# Altium PCB Ixora.PcbDoc (part 6 of 13)
Units mm, origin at the board's own origin, x right, y up, seen from the top; angles counter-clockwise.
Board outline 125 x 90 mm, 6 copper layers (Top Layer, GND, Mid-Layer 1, Mid-Layer 2, POWER, Bottom Layer), stack 1.561 mm thick; 454 components, 512 nets, 2071 pads, 863 vias.
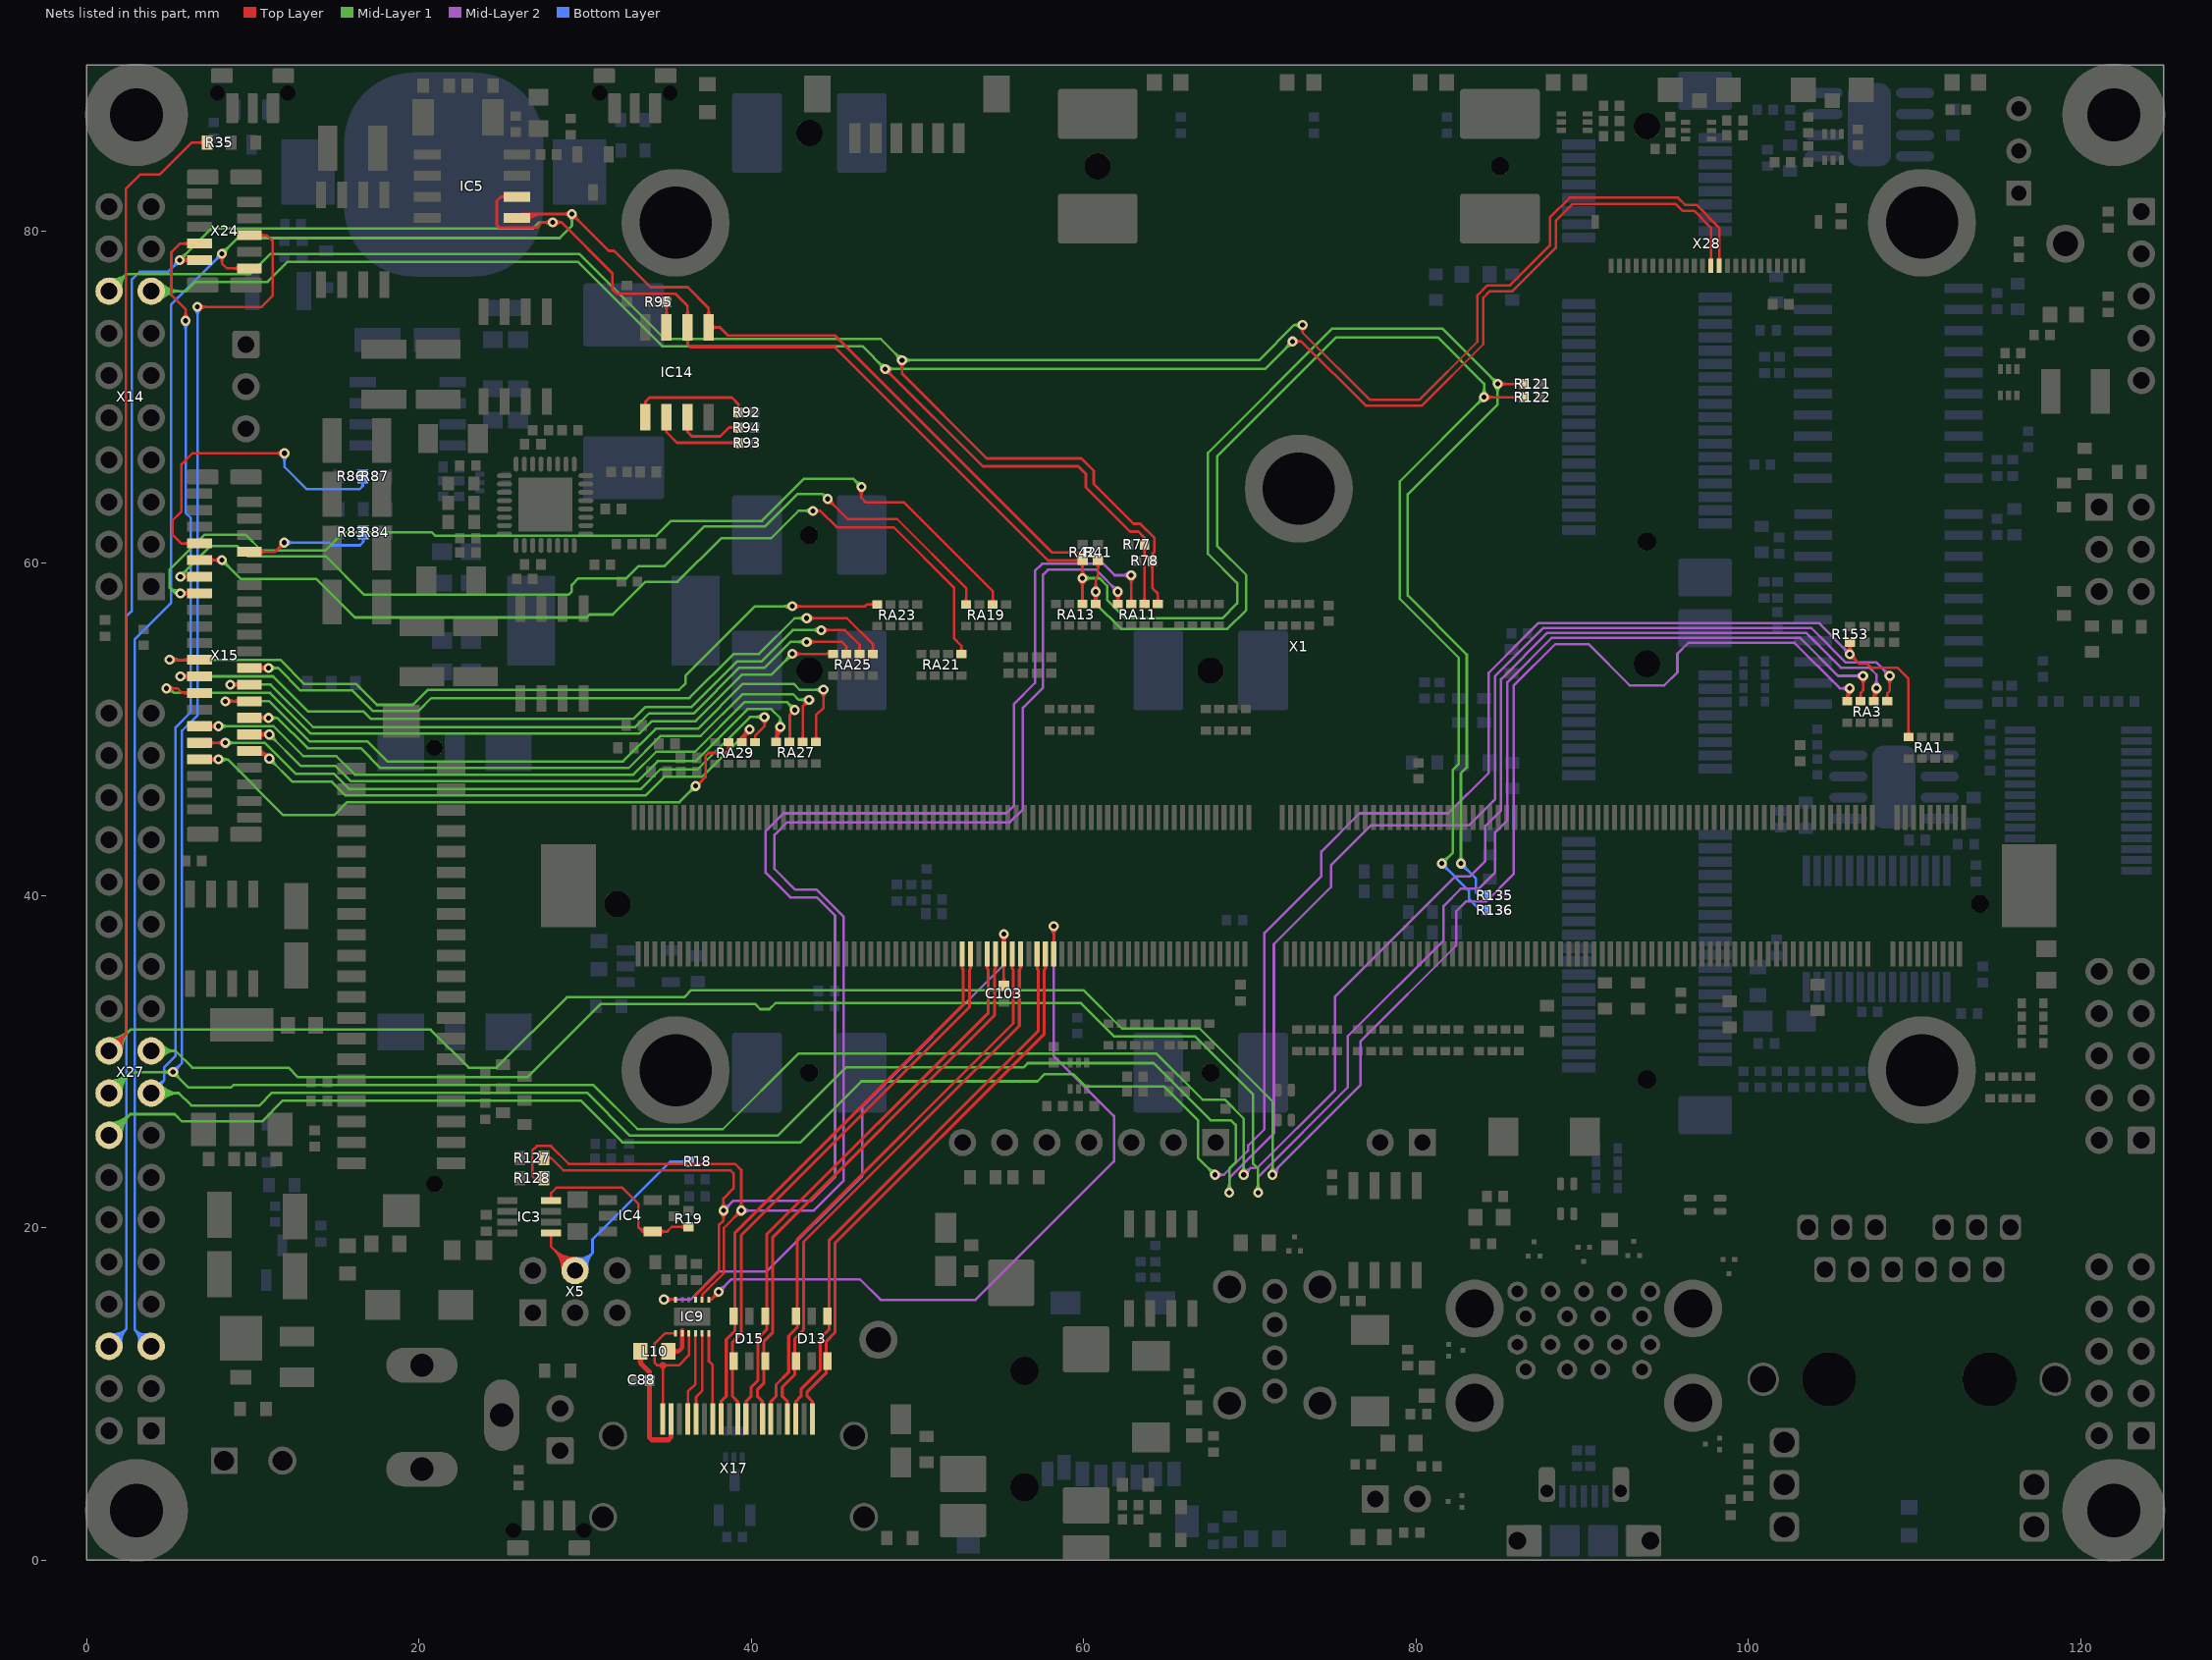
[diagram p10: the nets of this part, all layers, seen from the top]

## Via types
v1: diameter 0.6, hole 0.3, Top Layer to Bottom Layer, tented both sides, 852 vias
v2: diameter 0.6, hole 0.3, Top Layer to Bottom Layer, 11 vias

## Nets (pads, with @x,y where several pads share a name; then routed paths per layer and width w, separated by ;. In a path a pad name is that pad's centre, name@x,y a point inside that pad or via, vN(x,y) a via of type N, cw(c..) or ccw(c..) an arc to the next point about the centre after c; other vN are vias at no path point) (continued)
GPIO4: R153.2 RA1.5 X27.16 | length 161.6
  Top Layer w0.15: v1@105.949,54.693 ccw(c105.565,55.077) 106.109,55.077 ccw(c106.652,55.077) v1@106.268,54.693 ; v1@106.109,54.309 cw(c106.109,53.766) 106.493,54.15 cw(c106.877,54.534) v1@106.334,54.534 ; R153.2@106.109,55.245 v1(106.109,54.534) 106.693,53.95 107.163,53.95 107.391,53.721 108.966,53.721 109.639,53.048 RA1.5@109.639,49.555 ; RA1.5@109.515,49.679 ccw(c109.217,49.978) 109.639,49.978 ccw(c110.062,49.978) RA1.5@109.763,49.679 ; 106.066,54.919 ccw(c105.957,54.948) 106.001,55.052 cw(c105.957,54.948) 106.066,54.919 ; 106.066,54.919 cw(c106.279,54.862) 106.179,55.058 ccw(c106.279,54.862) 106.066,54.919 ; v1@106.109,54.738 ccw(c105.602,54.738) 105.96,55.097 cw(c105.602,54.738) v1@106.109,54.738 ; v1@106.109,54.738 cw(c106.616,54.738) 106.257,55.097 ccw(c106.616,54.738) v1@106.109,54.738 ; 106.151,54.919 ccw(c105.938,54.862) 106.038,55.058 cw(c105.938,54.862) 106.151,54.919 ; 106.151,54.919 cw(c106.26,54.948) 106.216,55.052 ccw(c106.26,54.948) 106.151,54.919
  Mid-Layer 2 w0.15: v1(67.9,23.203) 68.441,23.203 69.901,24.663 69.901,24.968 70.881,25.948 70.881,37.753 74.308,41.18 74.308,42.659 76.606,44.958 81.94,44.958 84.375,47.393 84.375,53.413 87.371,56.409 104.233,56.409 v1(106.109,54.534) ; v1@68.059,23.044 cw(c68.443,22.66) 68.443,23.203 cw(c68.443,23.747) v1@68.059,23.362 ; v1@105.884,54.534 ccw(c105.34,54.534) 105.724,54.918 ccw(c106.109,55.302) v1@106.109,54.759
  Mid-Layer 1 w0.15: X27.16@1.36,25.58 2.63,26.85 ; X27.16@1.363,26.03 ccw(c1.369,27.095) 2.122,26.342 ccw(c2.875,25.589) X27.16@1.81,25.583 ; X27.16@1.363,26.18 ccw(c1.372,27.6) 2.376,26.596 ccw(c3.38,25.592) X27.16@1.96,25.583 ; X27.16@1.364,26.33 ccw(c1.375,28.105) 2.63,26.85 ; X27.16@2.11,25.584 cw(c3.885,25.595) 2.63,26.85 ; v1@67.675,23.203 ccw(c67.132,23.203) 67.516,23.587 ccw(c67.9,23.972) v1@67.9,23.428 ; v1(67.9,23.203) 66.9,24.203 66.9,26.47 64.846,28.524 60.096,28.524 59.36,29.261 57.658,29.261 57.226,28.829 46.634,28.829 42.962,25.157 32.251,25.157 29.737,27.671 11.821,27.671 10.566,26.416 5.74,26.416 5.306,26.85 2.63,26.85
GPIO5: RA3.8 X24.4 X27.17 | length 211.5
  Top Layer w0.15: v1@5.81,74.759 ccw(c5.426,75.143) 5.969,75.143 ccw(c6.512,75.143) v1@6.128,74.759 ; v1(5.969,74.6) 5.969,75.286 5.106,76.149 5.106,78.715 5.641,79.25 X24.4@6.8,79.25 ; X24.4@6.191,79.091 ccw(c5.807,78.707) 5.807,79.25 ccw(c5.807,79.793) X24.4@6.191,79.409 ; RA3.8@108.232,51.843 ccw(c107.934,52.142) 108.356,52.142 ccw(c108.779,52.142) RA3.8@108.48,51.843 ; v1@108.349,53.068 cw(c107.965,52.684) 108.509,52.684 cw(c109.052,52.684) v1@108.668,53.068 ; RA3.8@108.356,51.719 108.356,52.171 108.509,52.324 v1(108.509,53.227)
  Mid-Layer 2 w0.15: v1@68.608,22.279 ccw(c68.223,22.663) 68.767,22.663 ccw(c69.31,22.663) v1@68.926,22.279 ; v1(68.767,22.12) 68.767,23.017 71.45,25.7 71.45,37.084 74.879,40.513 74.879,41.834 77.292,44.247 83.21,44.247 84.75,45.786 84.75,53.19 ; 84.75,53.2 87.662,56.112 103.781,56.112 105.842,54.051 107.685,54.051 v1(108.509,53.227) ; v1@108.284,53.227 ccw(c107.74,53.227) 108.124,53.612 ccw(c108.509,53.996) v1@108.509,53.452
  Mid-Layer 1 w0.15: X27.17@3.9,28.12 5.56,28.12 ; X27.17@4.238,27.823 cw(c4.896,27.242) 4.896,28.12 cw(c4.896,28.998) X27.17@4.238,28.417 ; X27.17@4.35,27.723 cw(c5.228,26.95) 5.228,28.12 cw(c5.228,29.29) X27.17@4.35,28.517 ; X27.17@4.463,27.624 cw(c5.56,26.657) 5.56,28.12 ; X27.17@4.463,28.616 ccw(c5.56,29.583) 5.56,28.12 ; v1@68.608,22.279 ccw(c68.223,22.663) 68.767,22.663 ccw(c69.31,22.663) v1@68.926,22.279 ; v1(68.767,22.12) 68.767,23.567 69.15,23.95 69.15,26.2 68.858,26.492 67.64,26.492 64.211,29.921 56.642,29.921 56.388,29.667 45.695,29.667 41.581,25.554 32.699,25.554 30.115,28.138 11.17,28.138 10.41,27.377 6.304,27.377 5.56,28.12
  Bottom Layer w0.15: X27.17@3.9,28.12 4.674,28.894 4.674,29.667 5.359,30.353 5.359,50.131 6.274,51.046 6.274,62.738 5.969,63.043 v1(5.969,74.6) ; X27.17@3.988,28.684 ccw(c4.133,29.437) 4.675,28.895 ccw(c5.217,28.353) X27.17@4.464,28.208 ; v1@5.81,74.441 cw(c5.426,74.057) 5.969,74.057 cw(c6.512,74.057) v1@6.128,74.441
GPIO6: RA3.7 X24.5 X27.18 | length 214.3
  Top Layer w0.15: v1(6.68,75.438) 10.541,75.438 11.201,76.098 11.201,79.4 10.852,79.75 X24.5@9.8,79.75 ; X24.5@10.43,79.615 cw(c10.699,79.414) 10.699,79.75 cw(c10.699,80.086) X24.5@10.43,79.885 ; RA3.7@107.432,51.843 ccw(c107.134,52.142) 107.556,52.142 ccw(c107.979,52.142) RA3.7@107.68,51.843 ; RA3.7@107.529,51.876 ccw(c107.436,52.064) 107.638,52.009 ccw(c107.759,51.977) RA3.7@107.695,51.87 ; RA3.7@107.556,51.704 cw(c108.316,51.704) v1@107.847,52.302 ; RA3.7@107.556,51.719 107.556,52.327 v1(107.709,52.479) ; 107.556,52.012 cw(c108.074,52.012) v1@107.755,52.42 ; 7.223,75.438 cw(c7.223,75.981) 6.839,75.597 ccw(c7.223,75.981) 7.223,75.438 ; 7.223,75.438 ccw(c7.223,74.895) 6.839,75.279 cw(c7.223,74.895) 7.223,75.438
  Mid-Layer 2 w0.15: v1(69.633,23.203) 70.047,23.617 70.455,23.617 75.132,28.295 75.132,33.931 82.376,41.174 83.262,41.174 84.176,42.088 84.176,44.196 85.125,45.145 85.125,53.025 87.916,55.816 103.468,55.816 105.562,53.721 107.29,53.721 107.709,53.302 v1(107.709,52.479) ; v1@69.633,23.428 ccw(c69.633,23.972) 70.017,23.587 ccw(c70.402,23.203) v1@69.858,23.203 ; v1@107.549,52.638 ccw(c107.165,53.022) 107.709,53.022 ccw(c108.252,53.022) v1@107.868,52.638
  Mid-Layer 1 w0.15: X27.18@1.335,28.845 ccw(c1.335,30.654) 2.615,29.375 ccw(c3.894,28.095) X27.18@2.085,28.095 ; X27.18@1.36,28.12 2.628,29.388 v1(5.207,29.388) 6.147,28.448 8.687,28.448 8.844,28.605 30.501,28.605 33.156,25.95 38.294,25.95 42.85,30.505 64.373,30.505 67.153,27.725 68.486,27.725 69.633,26.578 v1(69.633,23.203) ; X27.18@1.36,28.57 ccw(c1.36,29.656) 2.128,28.888 ccw(c2.896,28.12) X27.18@1.81,28.12 ; X27.18@1.36,28.72 ccw(c1.36,30.167) 2.384,29.144 ccw(c3.408,28.12) X27.18@1.96,28.12 ; v1@5.048,29.229 ccw(c4.664,28.845) 4.664,29.388 ccw(c4.664,29.931) v1@5.048,29.547 ; v1@5.207,29.163 cw(c5.207,28.62) 5.591,29.004 cw(c5.975,29.388) v1@5.432,29.388 ; v1@69.474,23.362 ccw(c69.09,23.747) 69.633,23.747 ccw(c70.177,23.747) v1@69.792,23.362
  Bottom Layer w0.15: v1(5.207,29.388) 5.74,29.921 5.74,49.919 6.693,50.872 v1@6.693,75.438 ; v1@5.207,29.613 ccw(c5.207,30.156) 5.591,29.772 ccw(c5.975,29.388) v1@5.432,29.388 ; v1@6.521,75.279 cw(c6.106,74.864) 6.693,74.864 ; 6.693,74.925 cw(c7.193,74.925) v1@6.839,75.279
GPIO7: RA3.6 X27.19 | length 148.6
  Top Layer w0.15: RA3.6@106.632,51.843 ccw(c106.334,52.142) 106.756,52.142 ccw(c107.179,52.142) RA3.6@106.88,51.843 ; v1@106.75,53.068 cw(c106.365,52.684) 106.909,52.684 cw(c107.452,52.684) v1@107.068,53.068 ; RA3.6@106.756,51.719 106.756,52.197 106.909,52.349 v1(106.909,53.227)
  Mid-Layer 2 w0.15: v1@70.341,22.279 ccw(c69.957,22.663) 70.5,22.663 ccw(c71.043,22.663) v1@70.659,22.279 ; v1(70.5,22.12) 70.5,23.078 75.895,28.473 75.895,31.546 81.66,37.312 81.66,39.381 82.691,40.412 83.77,40.412 84.76,41.402 84.76,43.815 85.5,44.555 85.5,52.85 88.169,55.519 103.104,55.519 105.396,53.227 v1(106.909,53.227) ; v1@106.75,53.068 ccw(c106.365,52.684) 106.365,53.227 ccw(c106.365,53.771) v1@106.75,53.387
  Mid-Layer 1 w0.15: X27.19@3.9,30.66 5.357,30.66 6.367,29.65 12.158,29.65 12.737,29.072 26.532,29.072 30.954,33.494 40.217,33.494 40.538,33.172 41.097,33.172 41.453,33.528 59.842,33.528 61.825,31.545 66.684,31.545 70.2,28.029 70.2,23.86 70.5,23.56 v1(70.5,22.12) ; X27.19@4.27,30.405 cw(c4.757,30.069) 4.757,30.66 cw(c4.757,31.251) X27.19@4.27,30.915 ; X27.19@4.394,30.319 cw(c5.043,29.872) 5.043,30.66 cw(c5.043,31.448) X27.19@4.394,31.001 ; X27.19@4.517,30.234 cw(c5.328,29.675) 5.328,30.66 cw(c5.328,31.645) X27.19@4.517,31.086 ; v1@70.341,22.279 ccw(c69.957,22.663) 70.5,22.663 ccw(c71.043,22.663) v1@70.659,22.279
GPIO8: R35.2 RA3.5 X27.20 | length 218.4
  Top Layer w0.15: X27.20@1.36,30.66 2.36,31.66 ; X27.20@1.445,31.102 ccw(c1.553,31.666) 1.96,31.26 ccw(c2.367,30.853) X27.20@1.802,30.745 ; X27.20@1.473,31.249 ccw(c1.618,32.002) 2.16,31.46 ccw(c2.702,30.918) X27.20@1.949,30.773 ; X27.20@1.502,31.397 ccw(c1.682,32.337) 2.36,31.66 ; X27.20@2.097,30.802 cw(c3.038,30.982) 2.36,31.66 ; R35.2@7.096,85.152 ccw(c6.669,84.725) 6.669,85.329 ccw(c6.669,85.932) R35.2@7.096,85.506 ; R35.2@7.273,85.329 6.335,85.329 4.42,83.414 3.251,83.414 2.36,82.522 2.36,31.66 ; RA3.5@105.832,51.843 ccw(c105.534,52.142) 105.956,52.142 ccw(c106.379,52.142) RA3.5@106.08,51.843 ; RA3.5@105.929,51.876 ccw(c105.836,52.064) 106.038,52.009 ccw(c106.159,51.977) RA3.5@106.095,51.87 ; RA3.5@105.956,51.704 cw(c106.716,51.704) v1@106.247,52.302 ; RA3.5@105.956,51.719 105.956,52.327 v1(106.109,52.479) ; 105.956,52.012 cw(c106.474,52.012) v1@106.155,52.42
  Mid-Layer 2 w0.15: v1(71.367,23.203) 71.367,23.309 76.657,28.599 76.657,31.23 82.423,36.996 82.423,39.065 83.007,39.649 84.226,39.649 85.875,41.298 85.875,52.626 88.392,55.143 90.373,55.143 92.862,52.654 94.945,52.654 95.733,53.442 95.733,54.559 96.395,55.222 102.766,55.222 105.509,52.479 v1(106.109,52.479) ; v1@71.367,23.428 ccw(c71.367,23.717) 71.571,23.513 ; v1@71.442,23.203 cw(c71.877,23.203) 71.569,23.511 ; v1@71.592,23.203 cw(c72.389,23.203) 71.825,23.767 ; v1@105.95,52.32 ccw(c105.565,51.936) 105.565,52.479 ccw(c105.565,53.022) v1@105.95,52.638
  Mid-Layer 1 w0.15: X27.20@1.36,30.66 2.642,31.942 20.712,31.942 23.004,29.65 24.672,29.65 28.914,33.892 35.992,33.892 ; X27.20@1.36,31.11 ccw(c1.36,32.196) 2.128,31.428 ccw(c2.896,30.66) X27.20@1.81,30.66 ; X27.20@1.36,31.26 ccw(c1.36,32.709) 2.384,31.684 ccw(c3.409,30.66) X27.20@1.96,30.66 ; X27.20@1.36,31.41 ccw(c1.36,33.221) 2.64,31.94 ccw(c3.921,30.66) X27.20@2.11,30.66 ; 35.992,33.909 36.398,34.315 59.995,34.315 62.307,32.003 66.981,32.003 71.375,27.609 71.375,23.212 v1(71.367,23.203) ; v1@71.208,23.362 ccw(c70.803,23.767) 71.375,23.767 ; 71.375,23.726 ccw(c71.89,23.726) v1@71.526,23.362
HDMI1_CEC: IC9.12 X17.13 | length 5.5
  Top Layer w0.15: IC9.12@37.45,13.65 37.45,11.98 37.683,11.747 X17.13@37.683,8.5 ; X17.13@37.63,9.353 ccw(c37.502,9.481) 37.683,9.481 ccw(c37.864,9.481) X17.13@37.736,9.353
HDMI1_CEC_MXM3: IC9.1 X1.220 | length 50.1
  Top Layer w0.15: IC9.1@37.45,15.7 37.6,15.7 v1(38.05,16.15) ; v1@37.825,16.15 cw(c37.282,16.15) 37.666,15.766 cw(c38.05,15.382) v1@38.05,15.925 ; v1@58.041,37.998 cw(c57.657,37.614) 58.2,37.614 cw(c58.743,37.614) v1@58.359,37.998 ; X1.220@58.2,36.5 v1(58.2,38.157) ; 58.2,37.306 cw(c58.019,37.306) 58.147,37.178 ccw(c58.019,37.306) 58.2,37.306 ; 58.2,37.306 ccw(c58.381,37.306) 58.253,37.178 cw(c58.381,37.306) 58.2,37.306
  Mid-Layer 2 w0.15: v1(38.05,16.15) 38.816,16.916 46.533,16.916 47.777,15.672 53.49,15.672 61.83,24.012 61.83,26.74 58.2,30.37 v1(58.2,38.157) ; v1@38.05,16.375 ccw(c38.05,16.918) 38.434,16.534 ccw(c38.818,16.15) v1@38.275,16.15 ; v1@58.041,37.998 cw(c57.657,37.614) 58.2,37.614 cw(c58.743,37.614) v1@58.359,37.998
HDMI1_HPD: IC9.7 IC9.9 X17.19 | length 10.4
  Top Layer w0.1: IC9.9@36.25,13.663 IC9.9@36.25,13.753
  Top Layer w0.15: X17.19@34.63,9.353 ccw(c34.502,9.481) 34.683,9.481 ccw(c34.864,9.481) X17.19@34.736,9.353 ; 34.641,11.771 34.683,11.729 ; X17.19@34.683,8.5 34.683,11.67 34.683,11.729 ; IC9.7@35.45,13.65 34.795,13.65 34.2,13.055 34.2,11.876 34.346,11.729 34.624,11.729 34.683,11.729 ; IC9.9@36.25,13.65 36.25,12.337 35.643,11.729 34.743,11.729 34.683,11.729
  Top Layer w0.3: 34.624,11.729 cw(c34.683,11.729) 34.641,11.771 cw(c34.683,11.729) 34.743,11.729 cw(c34.683,11.729) 34.683,11.67 cw(c34.683,11.729) 34.624,11.729
HDMI1_HPD_MXM3: C103.2 IC9.6 X1.232 | length 42.1
  Top Layer w0.15: v1(34.75,15.7) IC9.6@35.45,15.7 ; v1@34.909,15.541 cw(c35.293,15.157) 35.293,15.7 cw(c35.293,16.243) v1@34.909,15.859 ; v1@55.041,37.541 cw(c54.657,37.157) 55.2,37.157 cw(c55.743,37.157) v1@55.359,37.541 ; C103.2@55.048,34.744 ccw(c54.681,35.111) 55.2,35.111 ccw(c55.719,35.111) C103.2@55.352,34.744 ; X1.232@55.135,37.138 ccw(c54.935,37.253) 55.158,37.313 ; X1.232@55.147,35.847 cw(c55.019,35.719) 55.2,35.719 cw(c55.381,35.719) X1.232@55.253,35.847 ; X1.232@55.147,37.153 ccw(c55.019,37.281) 55.2,37.281 ccw(c55.381,37.281) X1.232@55.253,37.153 ; C103.2@55.2,34.592 X1.232@55.2,36.5 v1(55.2,37.7) ; 55.242,37.313 ccw(c55.465,37.253) X1.232@55.265,37.138
  Mid-Layer 2 w0.15: v1(34.75,15.7) 36.35,15.7 38.024,17.374 40.919,17.374 46.685,23.139 46.685,27.33 55.2,35.845 v1(55.2,37.7) ; v1@34.909,15.541 cw(c35.293,15.157) 35.293,15.7 cw(c35.293,16.243) v1@34.909,15.859 ; v1@55.041,37.541 cw(c54.657,37.157) 55.2,37.157 cw(c55.743,37.157) v1@55.359,37.541
HDMI1_TXC_N: D15.6 X1.242 X17.12 | length 34.1
  Top Layer w0.18: X17.12@38.183,8.5 38.183,9.561 38.498,9.876 38.498,13.29 39.028,13.82 39.028,19.719 52.765,33.456 52.765,35.546 52.7,35.611 X1.242@52.7,36.5
HDMI1_TXC_P: D15.1 X1.240 X17.10 | length 34.1
  Top Layer w0.18: X17.10@39.183,8.5 39.183,9.561 38.868,9.876 38.868,13.137 39.398,13.667 39.398,19.566 53.135,33.303 53.135,35.546 53.2,35.611 X1.240@53.2,36.5
HDMI1_TXD0_N: D15.4 X1.236 X17.9 | length 34.1
  Top Layer w0.18: X17.9@39.683,8.5 39.683,9.561 39.998,9.876 39.998,10.421 40.4,10.822 40.4,13.35 40.928,13.878 40.928,19.609 54.265,32.946 54.265,35.546 54.2,35.611 X1.236@54.2,36.5
HDMI1_TXD0_P: D15.3 X1.234 X17.7 | length 34.1
  Top Layer w0.18: X17.7@40.683,8.5 40.683,9.561 40.368,9.876 40.368,10.267 40.77,10.669 40.77,13.197 41.298,13.725 41.298,19.456 54.635,32.793 54.635,35.546 54.7,35.611 X1.234@54.7,36.5
HDMI1_TXD1_N: D13.6 X1.230 X17.6 | length 34.1
  Top Layer w0.18: X17.6@41.183,8.5 41.183,9.561 41.498,9.876 41.498,10.574 42.25,11.326 42.25,13.5 42.778,14.028 42.778,19.328 55.765,32.315 55.765,35.546 55.7,35.611 X1.230@55.7,36.5
HDMI1_TXD1_P: D13.1 X1.228 X17.4 | length 34.1
  Top Layer w0.18: X17.4@42.183,8.5 42.183,9.561 41.868,9.876 41.868,10.421 42.62,11.173 42.62,13.347 43.148,13.875 43.148,19.174 56.135,32.161 56.135,35.546 56.2,35.611 X1.228@56.2,36.5
HDMI1_TXD2_N: D13.4 X1.224 X17.3 | length 34.1
  Top Layer w0.18: X17.3@42.683,8.5 42.683,9.561 42.998,9.876 42.998,10.298 44.15,11.45 44.15,13.35 44.678,13.878 44.678,19.251 57.265,31.838 57.265,35.546 57.2,35.611 X1.224@57.2,36.5
HDMI1_TXD2_P: D13.3 X1.222 X17.1 | length 34.1
  Top Layer w0.18: X17.1@43.683,8.5 43.683,9.561 43.368,9.876 43.368,10.145 44.52,11.297 44.52,13.197 45.046,13.723 45.046,19.095 57.635,31.684 57.635,35.546 57.7,35.611 X1.222@57.7,36.5
HDMI1_VDISP: C88.2 L10.2 X17.18 | length 11
  Top Layer w0.3: L10.2@33.145,12.303 cw(c32.763,11.877) 33.335,11.877 ; L10.2@33.335,12.58 33.335,11.877 ; L10.2@33.525,12.303 ccw(c33.907,11.877) 33.335,11.877 ; X17.18@35.183,8.5 35.183,7.421 35.012,7.25 34.025,7.25 33.883,7.392 C88.2@33.883,10.842 33.883,11.329 33.335,11.877 ; 33.883,10.464 cw(c34.221,10.464) 33.982,10.703 ccw(c34.221,10.464) 33.883,10.464 ; 33.883,10.464 ccw(c33.545,10.464) 33.784,10.703 cw(c33.545,10.464) 33.883,10.464 ; 33.883,11.22 cw(c33.545,11.22) 33.784,10.981 ccw(c33.545,11.22) 33.883,11.22 ; 33.883,11.22 ccw(c34.221,11.22) 33.982,10.981 cw(c34.221,11.22) 33.883,11.22
HDMI1_VDISP_L: IC9.8 L10.1 | length 2.8
  Top Layer w0.26: L10.1@35.015,12.58 35.632,12.58 ; L10.1@35.257,12.395 cw(c35.632,12.109) 35.632,12.58 ; L10.1@35.257,12.765 ccw(c35.632,13.051) 35.632,12.58 ; IC9.8@35.85,13.827 35.85,12.798 35.632,12.58
I2C1_EE_A0: IC14.1 R92.1 | length 7.9
  Top Layer w0.165: IC14.1@33.503,69.478 ccw(c33.329,69.723) 33.63,69.723 ; IC14.1@33.63,68.801 33.63,69.723 ; IC14.1@33.756,69.478 cw(c33.93,69.723) 33.63,69.723 ; R92.1@39.239,69.088 39.239,69.575 38.837,69.977 33.884,69.977 33.63,69.723
I2C1_EE_A1: IC14.2 R93.1 | length 6
  Top Layer w0.15: IC14.2@34.78,68.11 cw(c34.644,67.894) 34.9,67.894 ; IC14.2@34.9,68.801 34.9,67.894 ; IC14.2@35.019,68.11 ccw(c35.155,67.894) 34.9,67.894 ; R93.1@39.246,67.259 35.535,67.259 34.9,67.894
I2C1_EE_A2: IC14.3 R94.1 | length 5.6
  Top Layer w0.165: IC14.3@36.052,68.118 cw(c35.915,67.903) 36.17,67.903 ; IC14.3@36.17,68.801 36.17,67.903 ; IC14.3@36.287,68.118 ccw(c36.424,67.903) 36.17,67.903 ; R94.1@39.096,68.03 ccw(c38.75,67.685) 38.75,68.174 ccw(c38.75,68.662) R94.1@39.096,68.317 ; R94.1@39.239,68.174 38.659,68.174 38.125,67.64 36.433,67.64 36.17,67.903
I2C1_EE_WP: IC14.7 R95.1 | length 3.1
  Top Layer w0.165: IC14.7@34.746,74.855 ccw(c34.375,75.226) 34.9,75.226 ccw(c35.425,75.226) IC14.7@35.053,74.855 ; R95.1@34.75,75.549 cw(c34.388,75.188) 34.9,75.188 ; IC14.7@34.9,74.201 R95.1@34.9,75.717 ; 34.9,75.219 cw(c35.366,75.219) R95.1@35.036,75.549
I2C1_SCL: IC5.6 IC14.6 R42.1 R121.1 R135.1 RA13.7 X24.2 X27.6 | length 248.5
  Top Layer w0.15: v1(5.613,78.25) X24.2@6.8,78.25 ; v1@5.772,78.091 cw(c6.157,77.707) 6.157,78.25 cw(c6.157,78.793) v1@5.772,78.409 ; X24.2@6.147,78.152 ccw(c5.897,78.032) 5.969,78.3 ccw(c6.015,78.471) X24.2@6.162,78.374 ; X24.2@6.147,78.348 cw(c5.897,78.468) 5.969,78.2 cw(c6.015,78.029) X24.2@6.162,78.126 ; X24.2@6.191,78.091 ccw(c5.807,77.707) 5.807,78.25 ccw(c5.807,78.793) X24.2@6.191,78.409 ; v1@59.772,58.947 cw(c59.388,58.563) 59.931,58.563 cw(c60.474,58.563) v1@60.09,58.947 ; v1@59.772,59.265 ccw(c59.388,59.649) 59.931,59.649 ccw(c60.474,59.649) v1@60.09,59.265 ; R42.1@59.783,60.027 cw(c59.424,59.668) 59.931,59.668 cw(c60.438,59.668) R42.1@60.08,60.027 ; RA13.7@59.807,57.68 ccw(c59.509,57.979) 59.931,57.979 ccw(c60.354,57.979) RA13.7@60.055,57.68 ; RA13.7@59.931,57.556 v1(59.931,59.106) R42.1@59.931,60.175 ; v1(84.912,70.8) R121.1@86.664,70.8 ; v1@85.071,70.641 cw(c85.455,70.257) 85.455,70.8 cw(c85.455,71.343) v1@85.071,70.959 ; R121.1@86.363,70.651 ccw(c86.004,70.293) 86.004,70.8 ccw(c86.005,71.307) R121.1@86.363,70.948
  Top Layer w0.165: IC5.6@25.241,81.928 ccw(c24.943,81.679) 24.943,82.067 ; IC5.6@25.241,82.207 cw(c24.943,82.456) 24.943,82.067 ; IC5.6@25.908,82.067 24.943,82.067 ; v1@27.913,80.364 ccw(c27.542,79.993) 27.542,80.518 ccw(c27.542,81.043) v1@27.913,80.672 ; v1@28.221,80.364 cw(c28.592,79.993) 28.592,80.518 cw(c28.592,81.043) v1@28.221,80.672 ; IC14.6@36.016,74.855 ccw(c35.645,75.226) 36.17,75.226 ccw(c36.695,75.226) IC14.6@36.323,74.855 ; IC14.6@36.022,73.541 cw(c35.708,73.203) 36.17,73.203 ; IC14.6@36.317,73.541 ccw(c36.631,73.203) 36.17,73.203 ; R42.1@59.763,60.032 ccw(c59.417,59.687) 59.417,60.175 ccw(c59.417,60.664) R42.1@59.763,60.319 ; R42.1@59.931,60.175 57.872,60.175 45.022,73.025 36.347,73.025 36.17,73.203 ; 24.943,82.067 24.689,81.813 24.689,80.366 24.841,80.213 27.102,80.213 27.407,80.518 v1(28.067,80.518) 28.581,80.518 31.648,77.451 31.648,76.505 31.928,76.225 35.433,76.225 36.17,75.489 IC14.6@36.17,74.201 36.17,73.203
  Mid-Layer 1 w0.15: v1(5.613,78.25) 7.526,80.162 26.873,80.162 27.229,80.518 v1(28.067,80.518) ; v1@5.613,78.475 ccw(c5.613,79.018) 5.997,78.634 ccw(c6.382,78.25) v1@5.838,78.25 ; v1@27.908,80.359 ccw(c27.524,79.975) 27.524,80.518 ccw(c27.524,81.061) v1@27.908,80.677 ; v1(59.931,59.106) 60.96,59.106 61.417,58.649 61.417,57.81 62.535,56.693 68.341,56.693 69.243,57.595 69.243,58.818 67.491,60.57 67.491,66.655 74.974,74.139 81.573,74.139 v1(84.912,70.8) 84.912,69.571 79.502,64.16 79.502,58.064 83.06,54.507 83.06,47.732 82.704,47.376 v1(82.704,41.933) ; v1@60.09,58.947 cw(c60.474,58.563) 60.474,59.106 cw(c60.474,59.649) v1@60.09,59.265 ; v1@82.545,42.092 ccw(c82.161,42.477) 82.704,42.477 ccw(c83.247,42.477) v1@82.863,42.092 ; v1@84.687,70.8 ccw(c84.144,70.8) 84.528,71.184 ccw(c84.912,71.568) v1@84.912,71.025 ; v1@84.753,70.641 cw(c84.369,70.257) 84.912,70.257 cw(c85.455,70.257) v1@85.071,70.641
  Bottom Layer w0.15: X27.6@1.36,12.88 2.4,13.92 ; X27.6@1.431,13.324 ccw(c1.531,13.957) 1.984,13.504 ccw(c2.437,13.051) X27.6@1.804,12.951 ; X27.6@1.454,13.473 ccw(c1.588,14.315) 2.192,13.712 ccw(c2.796,13.108) X27.6@1.953,12.974 ; X27.6@1.478,13.621 ccw(c1.646,14.674) 2.4,13.92 ; X27.6@2.101,12.998 cw(c3.154,13.165) 2.4,13.92 ; v1@5.388,78.25 cw(c4.845,78.25) 5.229,77.866 cw(c5.613,77.482) v1@5.613,78.025 ; v1(5.613,78.25) 4.91,77.546 3.2,77.546 2.718,77.064 2.718,57.125 2.4,56.807 2.4,13.92 ; v1@82.704,41.708 cw(c82.704,41.165) 83.088,41.549 cw(c83.472,41.933) v1@82.929,41.933 ; v1(82.704,41.933) 83.617,41.021 83.617,40.183 83.788,40.012 ; R135.1@84.087,39.875 ccw(c83.788,39.616) 83.788,40.012 ; R135.1@84.087,40.149 cw(c83.788,40.408) 83.788,40.012 ; R135.1@84.246,40.012 83.788,40.012
I2C1_SDA: IC5.5 IC14.5 R41.1 R122.1 R136.1 RA13.8 X24.1 X27.5 | length 244.9
  Top Layer w0.15: v1@7.994,78.479 cw(c7.61,78.095) 8.153,78.095 cw(c8.697,78.095) v1@8.312,78.479 ; v1(8.153,78.638) 8.153,78.054 8.458,77.75 X24.1@9.8,77.75 ; X24.1@9.191,77.591 ccw(c8.807,77.207) 8.807,77.75 ccw(c8.807,78.293) X24.1@9.191,77.909 ; v1@60.572,58.134 cw(c60.188,57.75) 60.731,57.75 cw(c61.274,57.75) v1@60.89,58.134 ; v1@60.572,58.452 ccw(c60.188,58.836) 60.731,58.836 ccw(c61.274,58.836) v1@60.89,58.452 ; RA13.8@60.607,57.68 ccw(c60.309,57.979) 60.731,57.979 ccw(c61.154,57.979) RA13.8@60.855,57.68 ; R41.1@60.721,60.027 cw(c60.362,59.668) 60.869,59.668 cw(c61.376,59.668) R41.1@61.018,60.027 ; RA13.8@60.731,57.556 v1(60.731,58.293) 60.731,59.131 60.869,59.269 R41.1@60.869,60.175 ; v1(84.099,70) R122.1@86.512,70 R122.1@86.664,70 ; v1@84.258,69.841 cw(c84.643,69.457) 84.643,70 cw(c84.643,70.543) v1@84.258,70.159 ; R122.1@86.363,69.851 ccw(c86.005,69.493) 86.005,70 ccw(c86.005,70.507) R122.1@86.363,70.148